# KiCad board Hagiwo DCO Panel.kicad_pcb
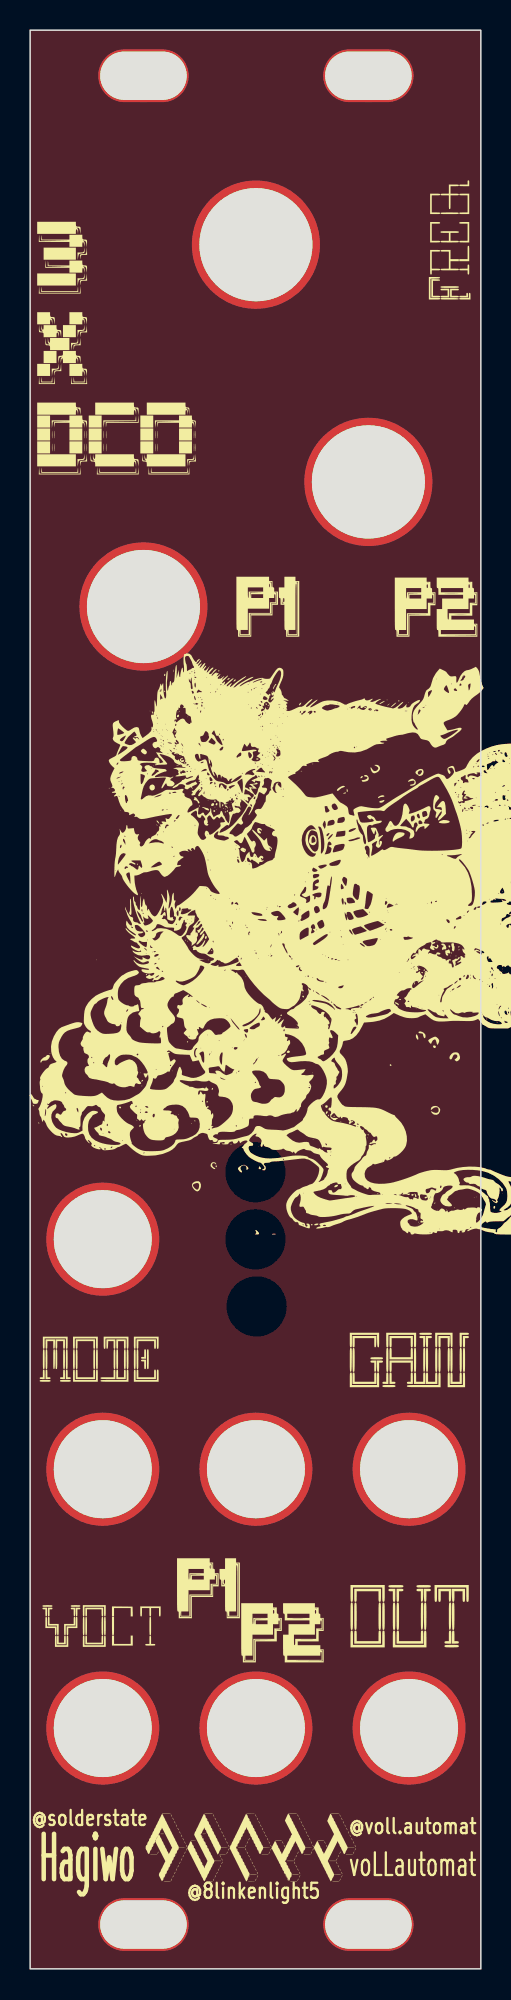
[diagram p0: board, top side]
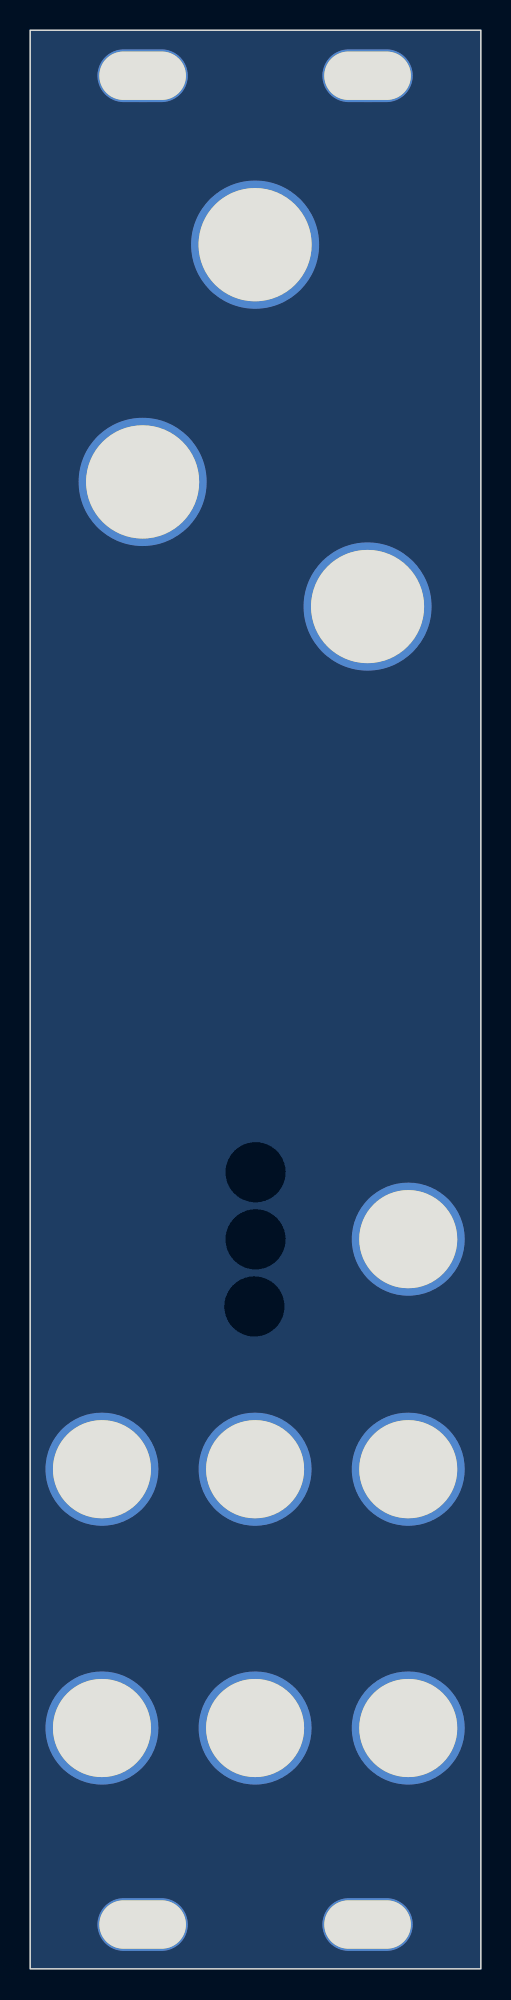
[diagram p1: board, bottom side, seen from below]

Outline 29.9 x 128.43 mm; copper layers: Top, Bottom. Coordinates in mm from the lower left corner of the outline.
Outline path: rectangle 0,128.43 29.9,0
Stack: Top 0.035mm / dielectric 1.51mm FR4 er 4.5 / Bottom 0.035mm

## Placement (name value [footprint] x y rotation side)
G***  LOGO  [demon soldermask]  22.47 68.25 0 top
G***#2  LOGO  [GAIN 8mm]  25.14 40.34 0 top
G***#3  LOGO  [sun mask]  14.98 33.1 0 top
G***#4  LOGO  [LED flower]  15.06 43.89 0 top
G***#5  LOGO  [LED cat]  14.9 52.78 0 top
G***#6  LOGO  [o mask]  4.82 15.7 0 top
G***#7  LOGO  [FREQ 8mm]  27.8 114.51 90 top
G***#8  LOGO  [sun-mask]  15.1 114.25 0 top
G***#9  LOGO  [MODE 8mm]  4.58 40.42 0 top
G***#10  LOGO  [solar system mask]  14.98 15.95 0 top
G***#11  LOGO  [P2 4mm]  26.92 90.25 0 top
G***#12  LOGO  [vapor-sun-mask]  19.81 62.84 0 top
G***#13  LOGO  [toyokawa yoshikuni mask]  21.71 86.31 0 top
G***#14  LOGO  [P1 4mm]  15.74 90.25 0 top
G***#15  LOGO  [3xDCO bold]  5.71 107.39 0 top
G***#16  LOGO  [demon 2 silk]  22.47 68.25 0 top
G***#17  LOGO  [hagiwo mask]  14.72 8.72 0 top
G***#18  LOGO  [VOCT 8mm]  4.74 22.69 0 top
G***#19  LOGO  [o mask]  25.14 15.7 0 top
G***#20  LOGO  [sun mask]  22.34 98.5 0 top
G***#21  LOGO  [P1 4mm]  11.8 25.23 0 top
G***#22  LOGO  [solar system mask]  7.61 90.25 0 top
G***#23  LOGO  [OUT 8mm]  25.22 23.32 0 top
G***#24  LOGO  [o mask]  4.82 32.97 0 top
G***#25  LOGO  [LED leaf]  15.1 48.09 0 top
G***#26  LOGO  [P2 4mm]  16.72 22.3 0 top
G***#27  LOGO  [ASCII small]  14.66 8.02 0 top
G***#28  LOGO  [o mask]  25.13 32.91 0 top
REF**  -  [6.5mm hole]  25.14 15.95 0 top
REF**#2  -  [6.5mm hole]  25.14 33.1 0 top
REF**#3  -  [6.5mm hole]  4.82 33.1 0 top
REF**#4  -  [3.2mm slot]  7.52 2.94 0 top
REF**#5  -  [3.2mm slot]  22.44 125.41 0 top
REF**#6  -  [7.5mm hole]  22.44 98.5 0 top
REF**#7  -  [6.5mm hole]  14.98 15.95 0 top
REF**#8  -  [3.2mm slot]  22.44 2.94 0 top
REF**#9  -  [3.2mm slot]  7.52 125.41 0 top
REF**#10  -  [6.5mm hole]  14.98 33.1 0 top
REF**#11  -  [7.5mm hole]  14.98 114.22 0 top
REF**#12  -  [7.5mm hole]  7.52 90.25 0 top
REF**#13  -  [6.5mm hole]  4.82 48.34 0 top
REF**#14  -  [6.5mm hole]  4.82 15.95 0 top

## Footprints (pads in the part's own frame, mm; a bottom-side part is the same pattern mirrored in y, then rotated)
3.2mm slot
  oval 6x3.5 hole 5.74x3.2: 2(0,0)
6.5mm hole
  round 7.5 hole 6.5: 1(0,0)
7.5mm hole
  round 8.5 hole 7.5: 1(0,0)

## Nets
gnd: REF**.1 REF**#2.1 REF**#3.1 REF**#4.2 REF**#5.2 REF**#6.1 REF**#7.1 REF**#8.2 REF**#9.2 REF**#10.1 REF**#11.1 REF**#12.1 REF**#13.1 REF**#14.1

## Copper pours and planes (outline as drawn; the poured copper is in the pictures)
gnd on Top: 30.22,-0.56 -0.26,-0.56 -0.26,128.98 30.22,128.98
gnd on Bottom: 30.22,-0.56 -0.26,-0.56 -0.26,128.98 30.22,128.98

## Text on the board
F.Fab: Mode 0 - FM | Mode 1 - chord | Mode 2 - Additive
F.Silkscreen: @solderstate | @8linkenlight5 | @voll.automat | voLLautomat | Hagiwo
